# Altium PCB cheriot-test.PcbDoc (part 1 of 10) (continued)
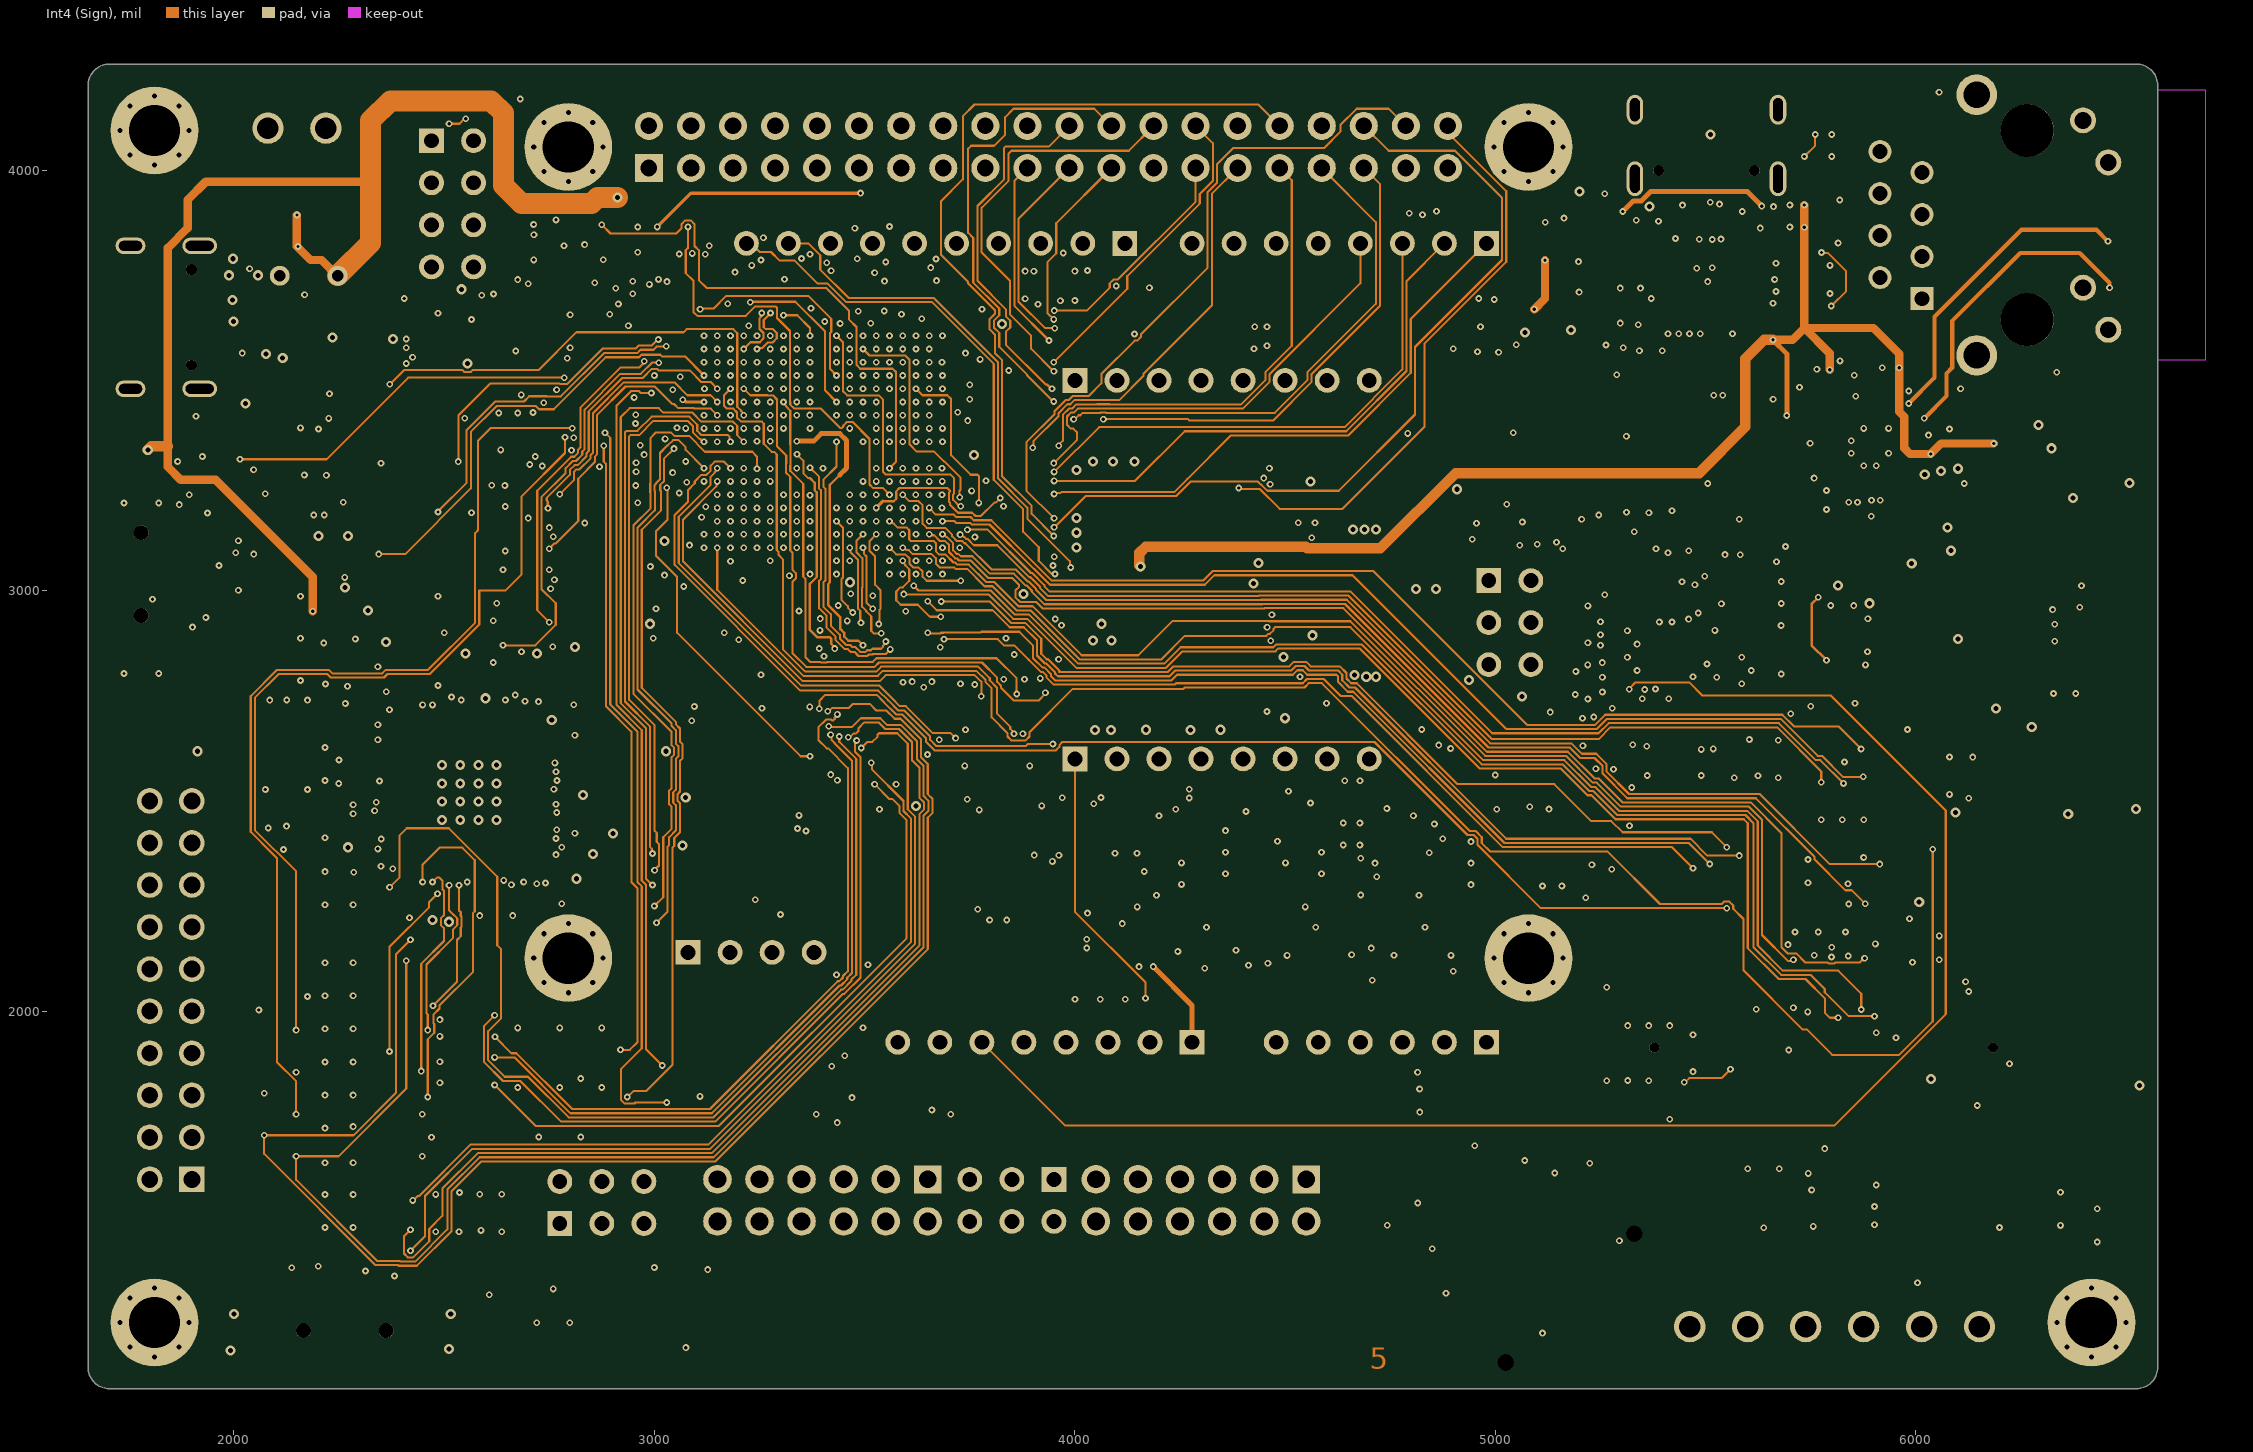
[diagram p5: Int4 (Sign)]
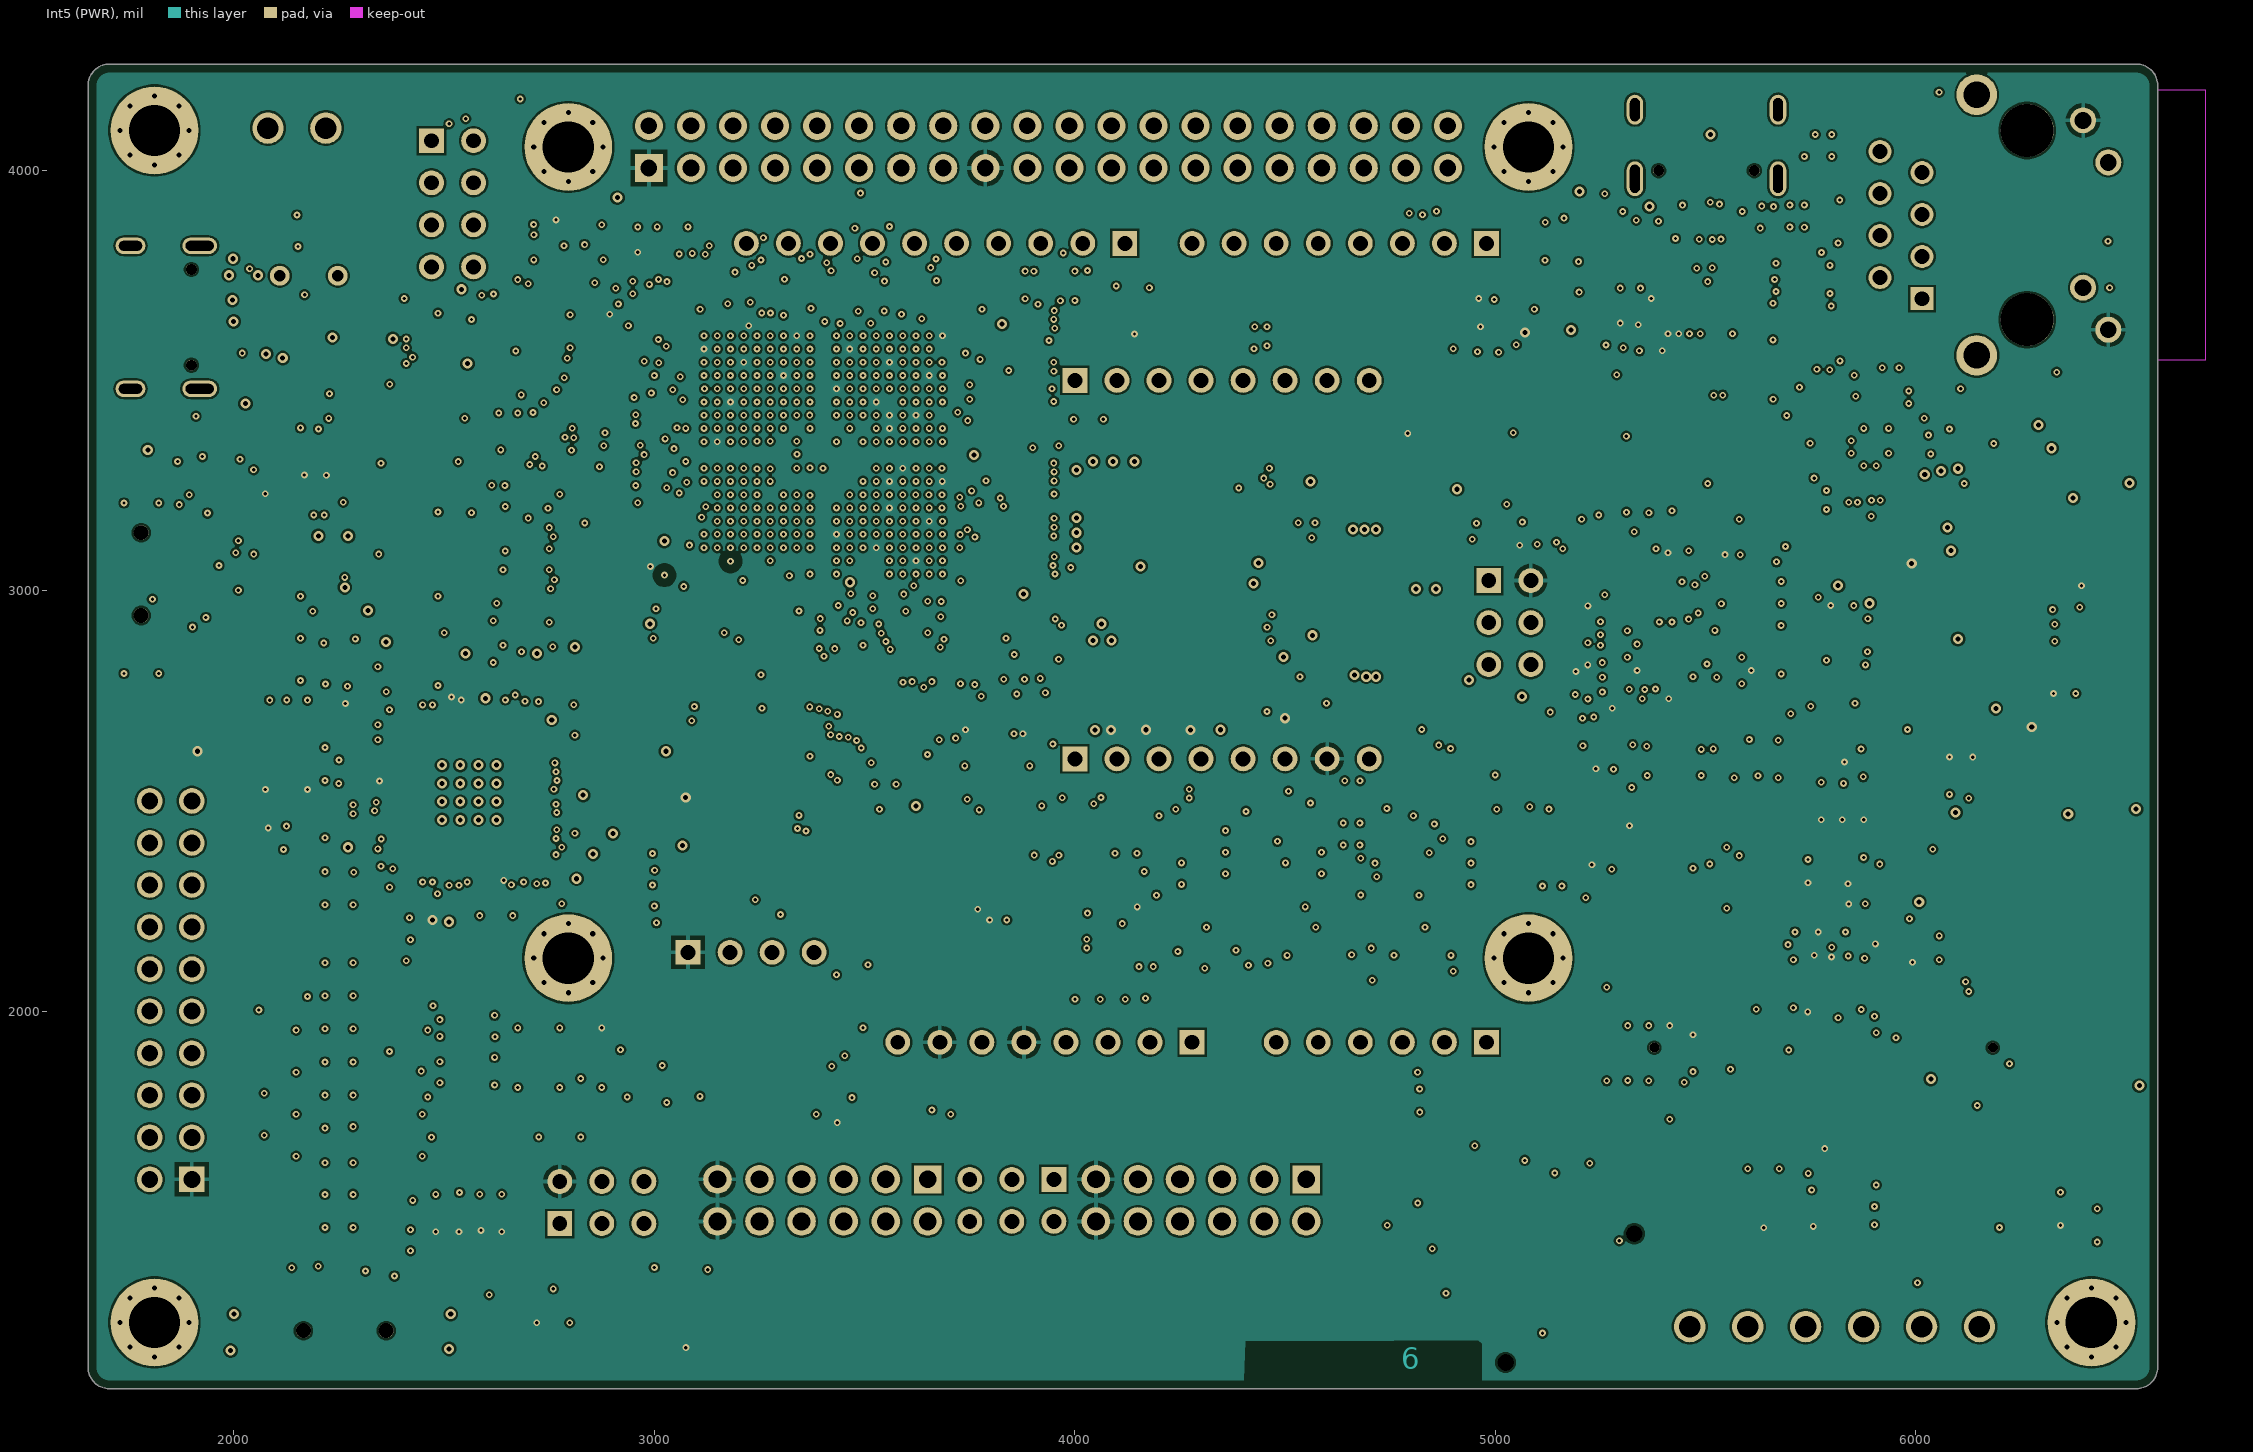
[diagram p6: Int5 (PWR)]
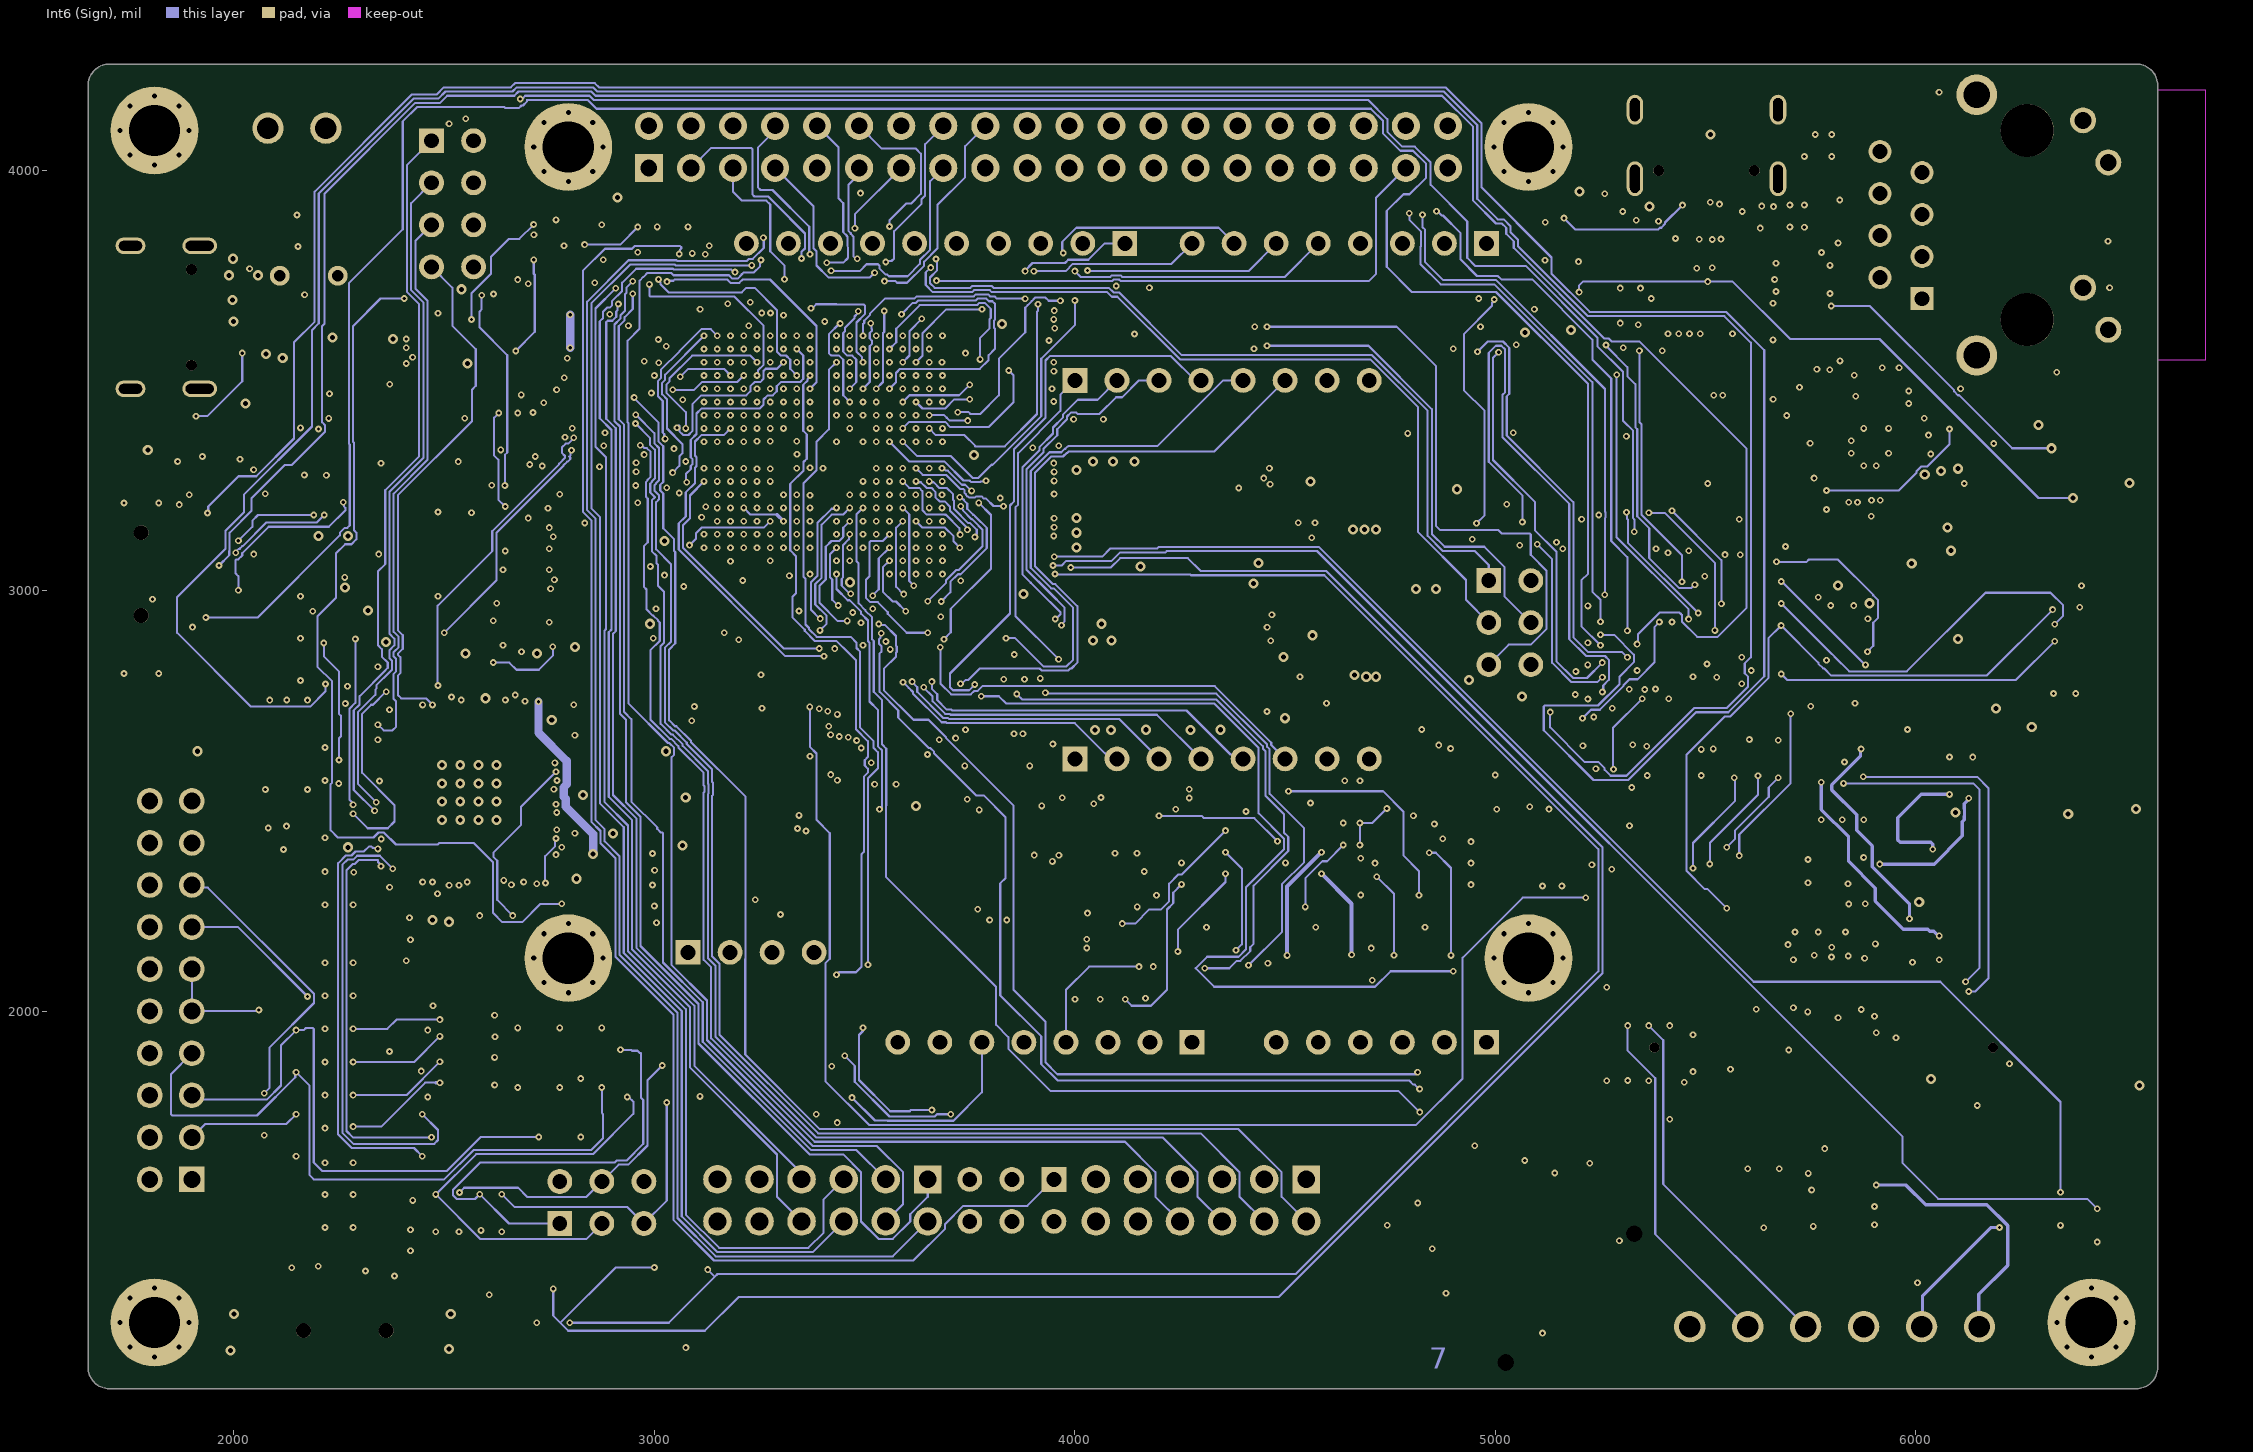
[diagram p7: Int6 (Sign)]
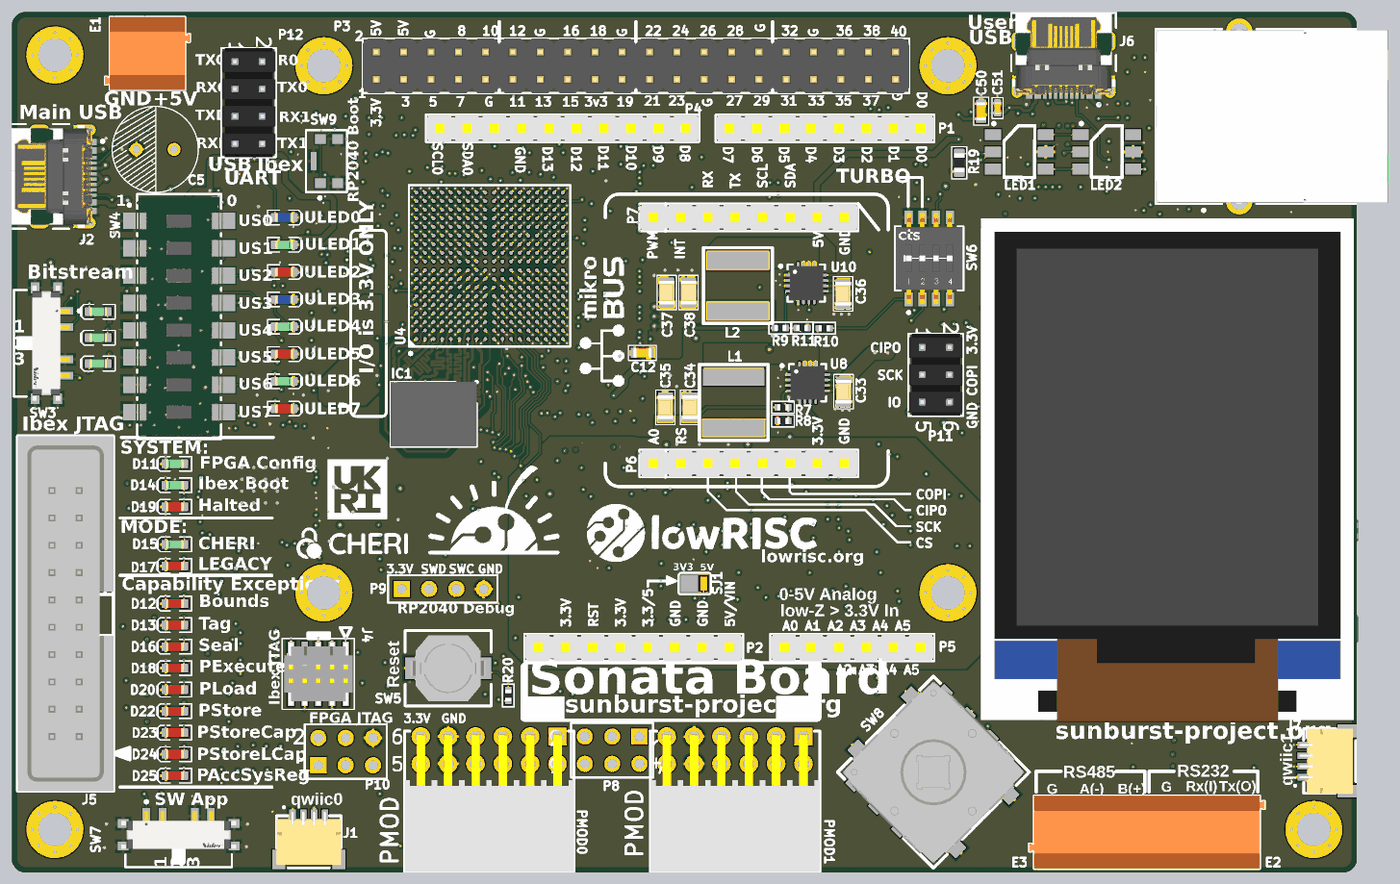
[diagram p17: 3D render of the assembled board from above, using the file's embedded part models]
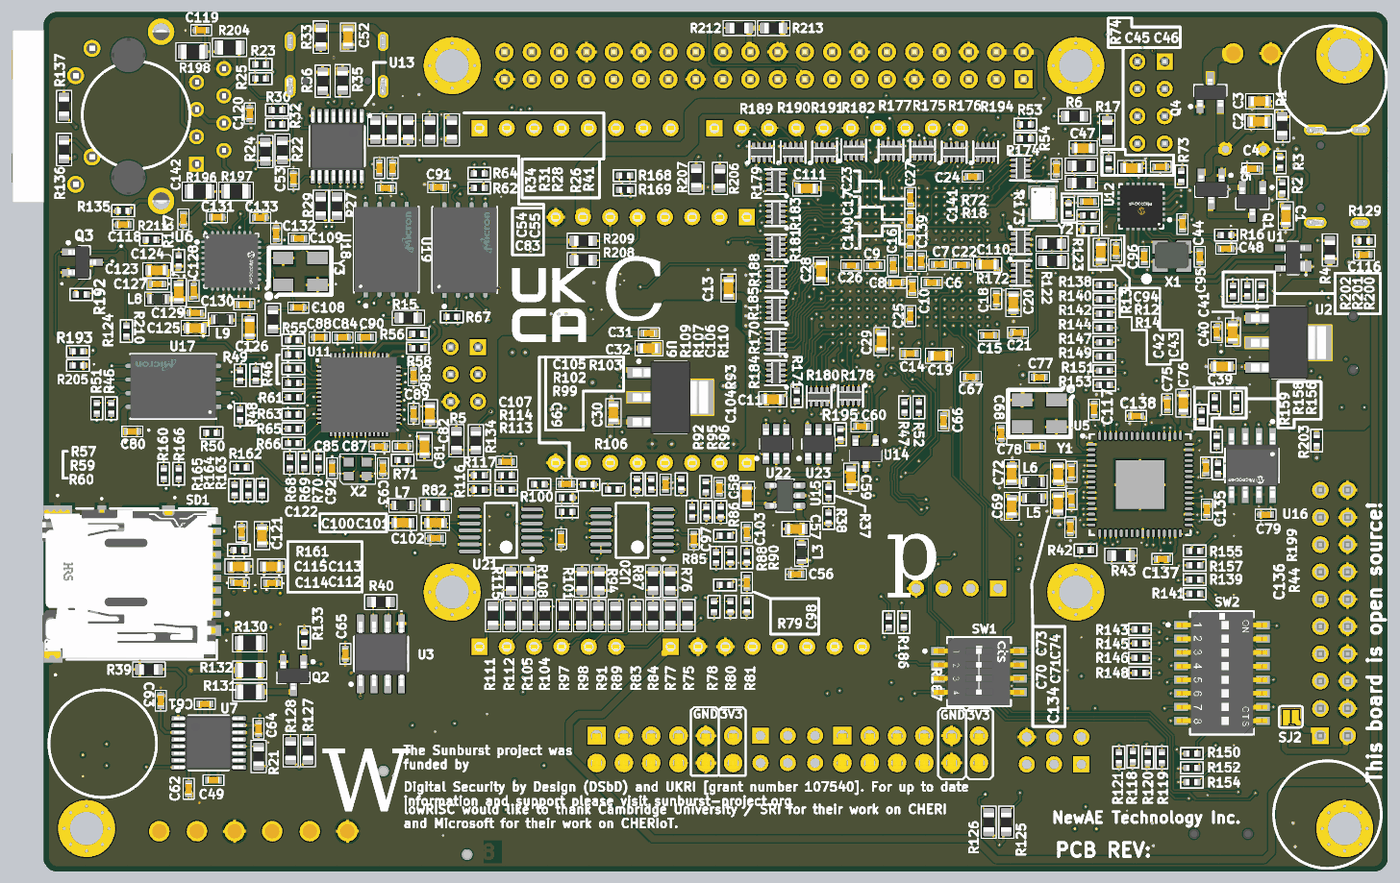
[diagram p18: 3D render of the assembled board from below, using the file's embedded part models]

## Layer stack, top to bottom
Top Solder: solder mask 1, SM-001, Dk 4
Top Layer: signal copper 1.378
Dielectric 1: prepreg 2.8, PP-006, Dk 4.1
Dielectric 2: prepreg 2.8, PP-006, Dk 4.1
Int1 (Sign): signal copper 1.378
Dielectric 3: core 9, Core-027, Dk 4.5
Int2 (GND): signal copper 1.378
Dielectric 4: prepreg 2.8, PP-006, Dk 4.1
Dielectric 5: prepreg 2.8, PP-006, Dk 4.1
Int3 (Sign): signal copper 1.378
Dielectric 6: core 9, Core-027, Dk 4.5
Int4 (Sign): signal copper 1.378
Dielectric 7: prepreg 2.8, PP-006, Dk 4.1
Dielectric 8: prepreg 2.8, PP-006, Dk 4.1
Int5 (PWR): signal copper 1.378
Dielectric 9: core 9, Core-027, Dk 4.5
Int6 (Sign): signal copper 1.378
Dielectric 10: prepreg 2.8, PP-006, Dk 4.1
Dielectric 11: prepreg 2.8, PP-006, Dk 4.1
Bottom Layer: signal copper 1.378
Bottom Solder: solder mask 1, SM-001, Dk 4

## Board outline
1653.54,1152.36 1653.54,4201.97 cw(c1703.54,4201.97) 1703.54,4251.97 6524.8,4251.97 cw(c6524.8,4201.97) 6574.8,4201.97 6574.8,1152.36 cw(c6524.8,1152.36) 6524.8,1102.36 1703.54,1102.36 cw(c1703.54,1152.36)

## Design rules (kind name [scope] priority, off if disabled: settings)
BoardOutlineClearance Silk_to_Outline [(OnLayer('Top Overlay'))] p1: gap=0 ignorepadtopadclearanceinfootprint=FALSE
BoardOutlineClearance [All] p2: gap=20 ignorepadtopadclearanceinfootprint=FALSE
Clearance Clearance_PolyHS [InNet('HYPERRAM*')] p1: gap=5 ignorepadtopadclearanceinfootprint=FALSE except(0: Arc-Hole Track-Hole SMDPad-Hole THPad-Hole Via-Hole Fill-Hole Poly-Hole Region-Hole Text-Hole; 20: Arc-Fill Arc-Poly Arc-Region Track-Fill Track-Poly Track-Region SMDPad-Fill SMDPad-Poly SMDPad-Region THPad-Fill THPad-Poly THPad-Region Via-Fill Via-Poly Via-Region Fill-Fill Fill-Poly Fill-Region Poly-Poly Poly-Region Region-Region)
Clearance [All] p2: gap=5 ignorepadtopadclearanceinfootprint=FALSE
ComponentClearance [All] p1: gap=4 collisioncheckmode=3 verticalgap=10 showdistances=FALSE
DiffPairsRouting USB_90OHM [InDifferentialPairClass('USB_DIFF_PAIR')] p1: maxlimit=10 minlimit=6 mostfreqgap=10 toplayer_maxgap=6 toplayer_prefgap=6 toplayer_minwidth=10 toplayer_maxwidth=12 toplayer_prefwidth=12 midlayer1_maxgap=6 midlayer1_prefgap=6 midlayer1_minwidth=10 midlayer1_maxwidth=12 midlayer1_prefwidth=12 midlayer2_mingap=10 midlayer2_minwidth=15 midlayer2_maxwidth=15 midlayer2_prefwidth=15 midlayer3_mingap=10 midlayer3_minwidth=15 midlayer3_maxwidth=15 midlayer3_prefwidth=15 midlayer4_mingap=10 midlayer4_minwidth=15 midlayer4_maxwidth=15 midlayer4_prefwidth=15 midlayer5_mingap=10 midlayer5_minwidth=15 midlayer5_maxwidth=15 midlayer5_prefwidth=15 midlayer6_mingap=10 midlayer6_minwidth=15 midlayer6_maxwidth=15 midlayer6_prefwidth=15 bottomlayer_maxgap=6 bottomlayer_prefgap=6 bottomlayer_minwidth=10 bottomlayer_maxwidth=12 bottomlayer_prefwidth=12 maxuncoupledlength=500
DiffPairsRouting ETHNET_100OHM [InDifferentialPairClass('USB_DIFF_PAIR')] p2: maxlimit=10 minlimit=6.1 mostfreqgap=6.1 toplayer_maxgap=6.1 toplayer_minwidth=10.1 toplayer_maxwidth=12.1 toplayer_prefwidth=12.1 midlayer1_maxgap=6.1 midlayer1_minwidth=10.1 midlayer1_maxwidth=12.1 midlayer1_prefwidth=12.1 midlayer2_maxgap=6.1 midlayer2_minwidth=10.1 midlayer2_maxwidth=12.1 midlayer2_prefwidth=12.1 midlayer3_maxgap=6.1 midlayer3_minwidth=10.1 midlayer3_maxwidth=12.1 midlayer3_prefwidth=12.1 midlayer4_maxgap=6.1 midlayer4_minwidth=10.1 midlayer4_maxwidth=12.1 midlayer4_prefwidth=12.1 midlayer5_mingap=10 midlayer5_prefgap=10 midlayer5_minwidth=15 midlayer5_maxwidth=15 midlayer5_prefwidth=15 midlayer6_mingap=10 midlayer6_prefgap=10 midlayer6_minwidth=15 midlayer6_maxwidth=15 midlayer6_prefwidth=15 bottomlayer_maxgap=6.1 bottomlayer_minwidth=10.1 bottomlayer_maxwidth=12.1 bottomlayer_prefwidth=12.1 maxuncoupledlength=500
DiffPairsRouting [InDifferentialPair('D_USB')] p3: maxlimit=10 minlimit=6 mostfreqgap=10 toplayer_maxgap=6 toplayer_prefgap=6 toplayer_minwidth=6 toplayer_maxwidth=12 toplayer_prefwidth=12 midlayer1_mingap=10 midlayer1_minwidth=15 midlayer1_maxwidth=15 midlayer1_prefwidth=15 midlayer2_mingap=10 midlayer2_minwidth=15 midlayer2_maxwidth=15 midlayer2_prefwidth=15 midlayer3_mingap=10 midlayer3_minwidth=15 midlayer3_maxwidth=15 midlayer3_prefwidth=15 midlayer4_mingap=10 midlayer4_minwidth=15 midlayer4_maxwidth=15 midlayer4_prefwidth=15 midlayer5_mingap=10 midlayer5_minwidth=15 midlayer5_maxwidth=15 midlayer5_prefwidth=15 midlayer6_mingap=10 midlayer6_minwidth=15 midlayer6_maxwidth=15 midlayer6_prefwidth=15 bottomlayer_maxgap=6 bottomlayer_prefgap=6 bottomlayer_minwidth=6 bottomlayer_maxwidth=12 bottomlayer_prefwidth=12 maxuncoupledlength=500
HoleSize [All] p1: absolutevalues=TRUE maxlimit=200 minlimit=8 maxpercent=80.000 minpercent=20.000
MatchedLengths HRam_DQRWDS [InNetClass('HYPER_1_Length')] p1: tolerance=5 checknetsindiffpair=FALSE checkdiffpairvsdiffpair=TRUE checkxsignals=TRUE checkothers=TRUE usedelayunits=TRUE delaytolerance=2.000000
MatchedLengths HRam_Clock [InNetClass('HYPER_1_Clks')] p2: tolerance=4 checknetsindiffpair=TRUE checkdiffpairvsdiffpair=FALSE checkxsignals=FALSE checkothers=FALSE usedelayunits=TRUE delaytolerance=1.000000
MatchedLengths HRam_GeneralOther [InNetClass('HYPER_200mil_Length')] p3: tolerance=200 checknetsindiffpair=FALSE checkdiffpairvsdiffpair=TRUE checkxsignals=TRUE checkothers=TRUE
MinimumSolderMaskSliver [All] p1: minsoldermaskwidth=12
PlaneConnect PlaneConnect_viaDirect [IsVia] p1: planeconnectstyle=Direct reliefexpansion=20 reliefentries=4 reliefconductorwidth=10 reliefairgap=10
PlaneConnect [All] p2: planeconnectstyle=Relief reliefexpansion=20 reliefentries=4 reliefconductorwidth=10 reliefairgap=10
PolygonConnect PolyConnectSMPS [IsNamedPolygon('SMPS_POLY_3V3') or IsNamedPolygon('SMPS_POLY_NETL1_1')     or IsNamedPolygon('SMPS_POLY_NETL2') or IsNamedPolygon('SMPS_POLY_VCCINT')     or IsNamedPolygon('VCCUSB3V3_THERMAL')  or IsNamedPolygon('VCC1V8_THERMAL')] p1: thpad.connectstyle=Direct thpad.reliefconductorwidth=10 thpad.reliefentries=4 thpad.polygonreliefangle="90 Angle" thpad.airgapwidth=10 smdpad.connectstyle=Direct smdpad.reliefconductorwidth=10 smdpad.reliefentries=4 smdpad.polygonreliefangle="90 Angle" smdpad.airgapwidth=10 via.connectstyle=Relief via.reliefconductorwidth=10 via.reliefentries=4 via.polygonreliefangle="90 Angle" via.airgapwidth=10
PolygonConnect PolygonConnect_viaDirect [All vs isVia] p2: connectstyle=Direct reliefconductorwidth=10 reliefentries=4 polygonreliefangle="90 Angle" airgapwidth=10
PolygonConnect [All] p3: thpad.connectstyle=Relief thpad.reliefconductorwidth=10 thpad.reliefentries=4 thpad.polygonreliefangle="90 Angle" thpad.airgapwidth=10 smdpad.connectstyle=Relief smdpad.reliefconductorwidth=10 smdpad.reliefentries=4 smdpad.polygonreliefangle="90 Angle" smdpad.airgapwidth=10 via.connectstyle=Direct via.reliefconductorwidth=10 via.reliefentries=4 via.polygonreliefangle="90 Angle" via.airgapwidth=10
RoutingVias Routing_VIA [All] p1: holewidth=8 width=16 viastyle="Through Hole" minholewidth=8 minwidth=16 maxholewidth=50 maxwidth=50
RoutingVias [All] p2: holewidth=28 width=50 viastyle="Through Hole" minholewidth=28 minwidth=50 maxholewidth=28 maxwidth=50
SilkToSilkClearance [All] p1: silktosilkclearance=1
SilkToSolderMaskClearance [IsPad] p1: minsilkscreentomaskgap=5 clearancetoexposedcopper=TRUE
SolderMaskExpansion [All] p1: expansion=4 istentingtop=FALSE
Width [All] p1: maxlimit=100 minlimit=5 preferedwidth=5 midlayer5_minwidth=10 midlayer5_maxwidth=10 midlayer5_prefwidth=10 midlayer6_minwidth=10 midlayer6_maxwidth=10 midlayer6_prefwidth=10 minimp=50.000000 maximp=50.000000 favimp=50.000000
23 further rules are at their usual default settings.
